# Altium PCB PCB_RF.PcbDoc (part 1 of 2) (continued)
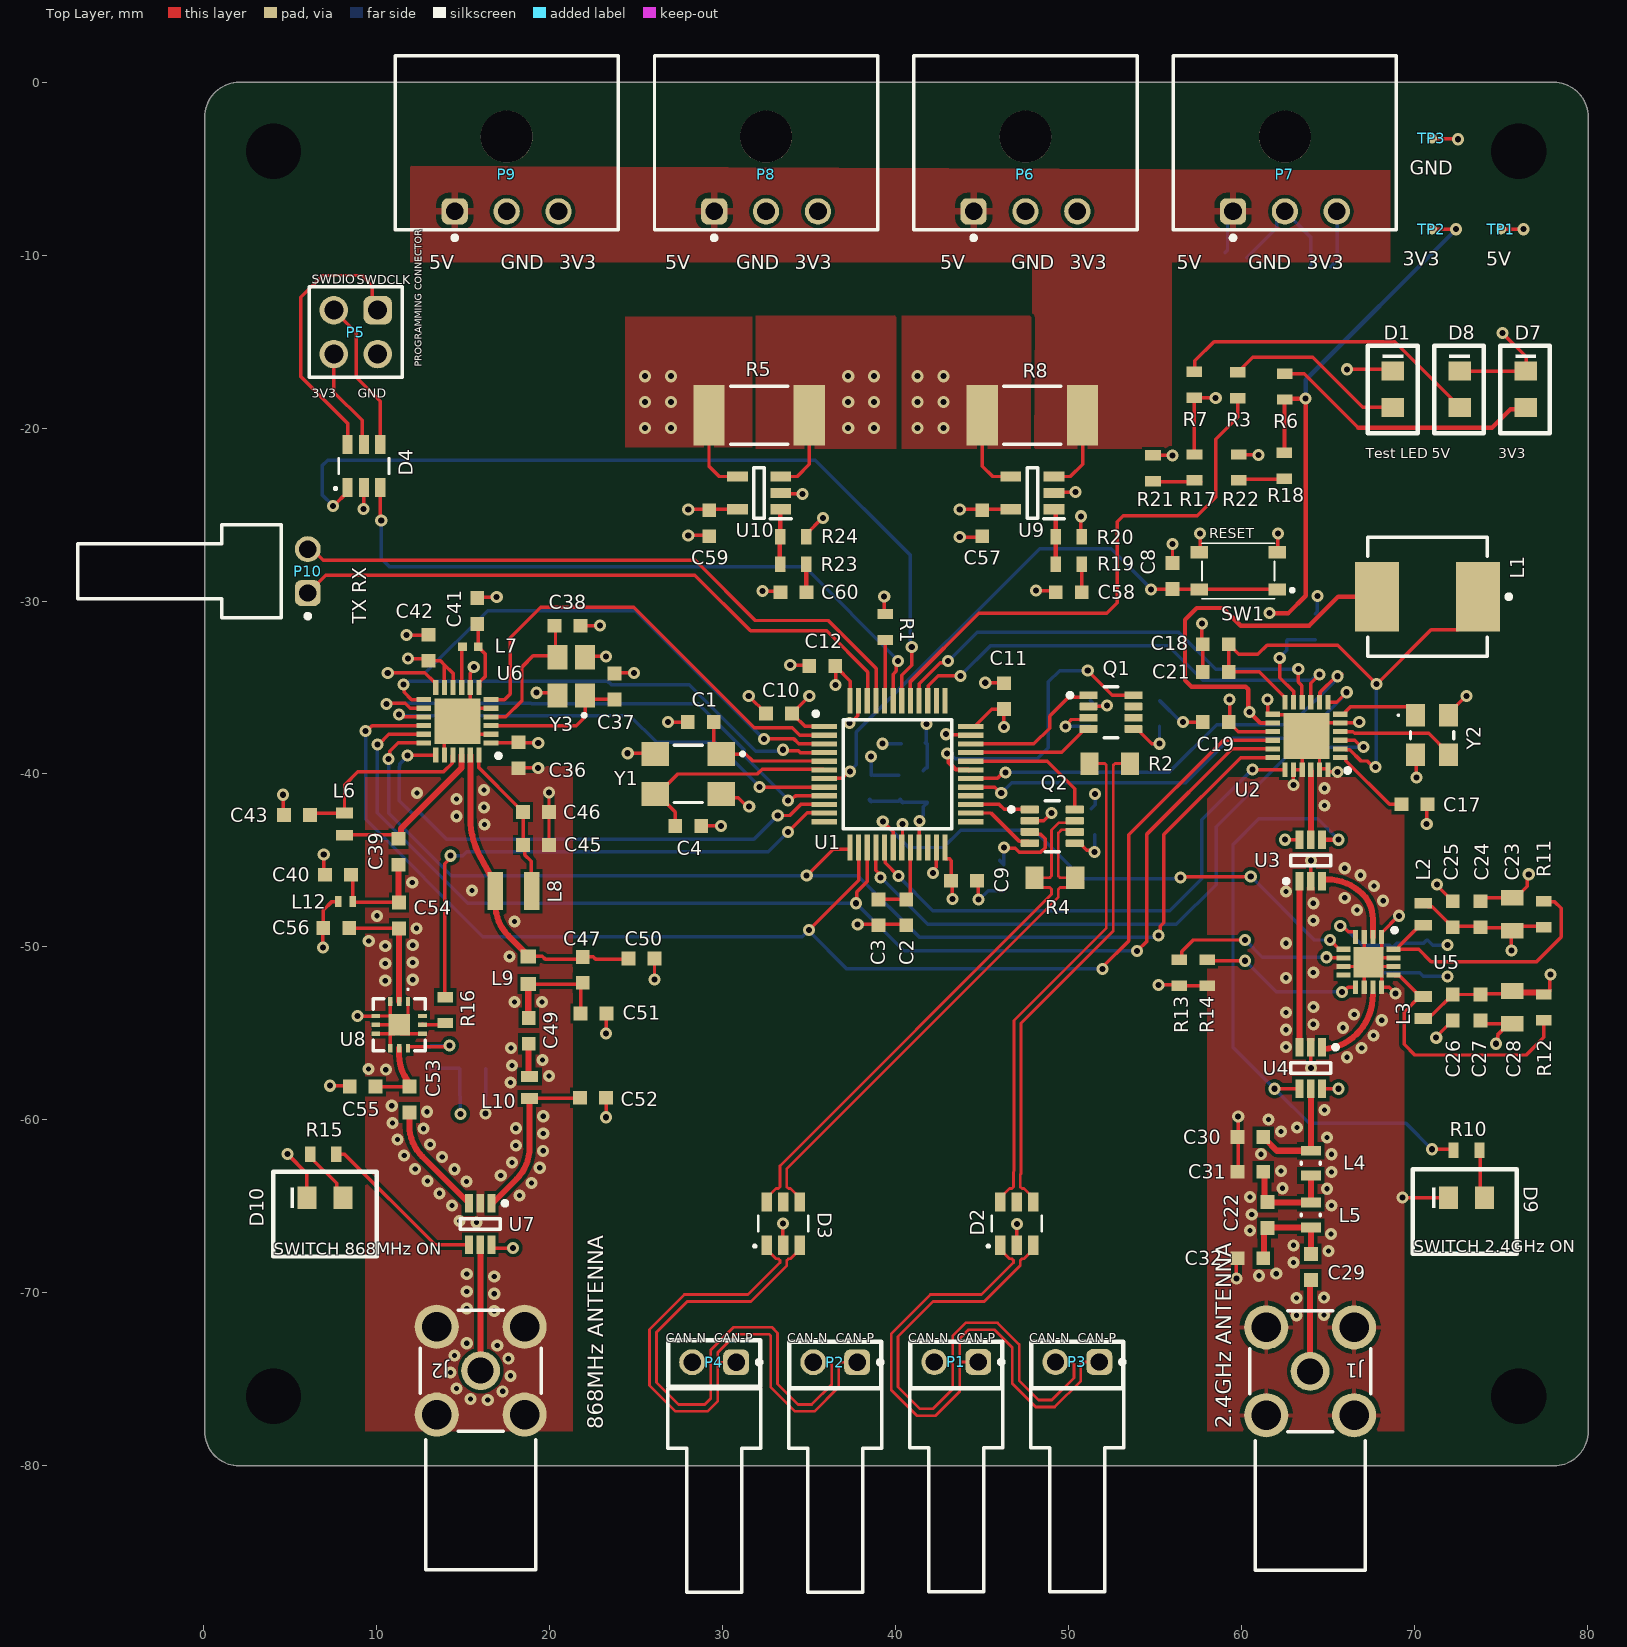
[diagram p0: Top Layer view]
## Design rules (kind name [scope] priority, off if disabled: settings) (continued)
PolygonConnect PolygonConnect_2 [All vs IsNamedPolygon('NONET_L01_P017') Or IsNamedPolygon('NONET_L01_P023') Or IsNamedPolygon('NONET_L01_P016') Or IsNamedPolygon('NONET_L01_P022') Or IsNamedPolygon('NONET_L02_P003') Or IsNamedPolygon('5V_CURRENT-_L03_P048') Or IsNamedPolygon('NONET_L03_P052') Or IsNamedPolygon('POWER-3V3_Current+') Or IsNamedPolygon('POWER-No Net') Or IsNamedPolygon('POWER-No Net 1')] p9: isadvanced=TRUE thpad.connectstyle=Relief thpad.reliefconductorwidth=0.254 thpad.reliefentries=4 thpad.polygonreliefangle="90 Angle" thpad.airgapwidth=0.254 smdpad.connectstyle=Direct smdpad.reliefconductorwidth=0.254 smdpad.reliefentries=4 smdpad.polygonreliefangle="90 Angle" smdpad.airgapwidth=0.254 via.connectstyle=Direct via.reliefconductorwidth=0.254 via.reliefentries=4 via.polygonreliefangle="90 Angle" via.airgapwidth=0.254
PolygonConnect PolygonConnect_1 [All vs IsNamedPolygon('NONET_L01_P017') Or IsNamedPolygon('NONET_L01_P023') Or IsNamedPolygon('NONET_L01_P016') Or IsNamedPolygon('NONET_L01_P022') Or IsNamedPolygon('NONET_L02_P003') Or IsNamedPolygon('5V_CURRENT-_L03_P048') Or IsNamedPolygon('NONET_L03_P039') Or IsNamedPolygon('NONET_L03_P052') Or IsNamedPolygon('POWER-3V3_Current+') Or IsNamedPolygon('POWER-No Net') Or IsNamedPolygon('POWER-No Net 1')] p10: isadvanced=TRUE thpad.connectstyle=Relief thpad.reliefconductorwidth=0.254 thpad.reliefentries=4 thpad.polygonreliefangle="90 Angle" thpad.airgapwidth=0.254 smdpad.connectstyle=Direct smdpad.reliefconductorwidth=0.254 smdpad.reliefentries=4 smdpad.polygonreliefangle="90 Angle" smdpad.airgapwidth=0.254 via.connectstyle=Relief via.reliefconductorwidth=0.254 via.reliefentries=4 via.polygonreliefangle="90 Angle" via.airgapwidth=0.254
PolygonConnect [All] p11: connectstyle=Relief reliefconductorwidth=0.254 reliefentries=4 polygonreliefangle="90 Angle" airgapwidth=0.254
RoutingCorners [All] p1: isadvanced=TRUE cornerstyle=45-Degree minsetback=2.54 maxsetback=2.54
RoutingPriority [All] p1: isadvanced=TRUE routingpriority=0
RoutingVias RoutingViaStyle_1 [All] p1: holewidth=0.3 width=0.4 viastyle="Through Hole" minholewidth=0.3 minwidth=0.4 maxholewidth=0.711 maxwidth=1.27
RoutingVias RoutingViaStyle_2 [All] p2: isadvanced=TRUE holewidth=0.35 width=0.7 viastyle="Through Hole" minholewidth=0.254 minwidth=0.4 maxholewidth=7 maxwidth=1
ShortCircuit [All] p1: isadvanced=TRUE allowed=FALSE
SilkToSilkClearance [All] p1: isadvanced=TRUE silktosilkclearance=0
SilkToSolderMaskClearance [IsPad] p1: isadvanced=TRUE minsilkscreentomaskgap=0 clearancetoexposedcopper=TRUE
SolderMaskExpansion [All] p1: isadvanced=TRUE expansion=0.102 istentingtop=FALSE
SupplyNets "Schematic Supply Nets_3" [InNet('3V3_Current-')] p1: isadvanced=TRUE voltage=0.000
SupplyNets "Schematic Supply Nets_2" [InNet('5V_Current-')] p2: isadvanced=TRUE voltage=0.000
SupplyNets "Schematic Supply Nets_1" [InNet('GND')] p3: isadvanced=TRUE voltage=0.000
SupplyNets "Schematic Supply Nets" [InNet('NetU7_2')] p4: isadvanced=TRUE voltage=0.000
UnRoutedNet [All] p1: isadvanced=TRUE checkbadconnections=TRUE
UnpouredPolygon [All] p1: isadvanced=TRUE
Width MaxMinWidth_1 [All] p1: isadvanced=TRUE maxlimit=1 minlimit=0.15 preferedwidth=0.2 minimp=50.000000 maximp=50.000000 favimp=50.000000
Width MaxMinWidth_2 [All] p2: maxlimit=1 minlimit=0.1 preferedwidth=0.2 minimp=50.000000 maximp=50.000000 favimp=50.000000
3 further rules are at their usual default settings.

## Classes and differential pairs
component class "SX1280 MID VELOCITY": C17 C18 C19 C20 C21 C22 C23 C24 C25 C26 C27 C28 C29 C30 C31 C32 C33 C34 C35 D9 J1 L1 L2 L3 L4 L5 R9 R10 R11 R12 R13 R14 U2 U3 U4 U5 Y2
component class SX1262: C36 C37 C38 C39 C40 C41 C42 C43 C44 C45 C46 C47 C48 C49 C50 C51 C52 C53 C54 C55 C56 D10 J2 L6 L7 L8 L9 L10 L11 L12 R15 R16 U6 U7 U8 Y3
component class MCU: C1 C2 C3 C4 C5 C6 C7 C8 C9 C10 C11 C12 C13 C14 C15 C16 D1 FB1 Q1 Q2 R1 R2 R3 R4 SW1 U1 Y1
component class "Current and Voltage Measurement": C57 C58 C59 C60 R17 R18 R19 R20 R21 R22 R23 R24 TP1 TP2 TP3 U9 U10
component class Connectors: D2 D3 D4 D5 D6 D7 D8 P1 P2 P3 P4 P5 P6 P7 P8 P9 P10 R5 R6 R7 R8
differential pair D_CAN1C: +CAN1C_P -CAN1C_N
differential pair D_CAN2: +CAN2_P -CAN2_N
differential pair D_CAN1: +CAN1_P -CAN1_N
differential pair D_CAN2C: +CAN2C_P -CAN2C_N

## Components (designator, comment, footprint, x,y, rotation, side; value= is the part's Value field where it differs from the comment)
C1 "885012006034" WCAP-CSGP_0603_L1.6W0.8H0.8_Reflow 28.725,-37 r180 top value=22pF
C2 "885012206052" WCAP-CSGP_0603_L1.6W0.8H0.8_Reflow 40.604,-48 r90 top value=1µF
C3 "885012206071" WCAP-CSGP_0603_L1.6W0.8H0.8_Reflow 39,-48 r90 top value=100nF
C4 "885012006034" WCAP-CSGP_0603_L1.6W0.8H0.8_Reflow 28,-43 r0 top value=22pF
C5 "885012206052" WCAP-CSGP_0603_L1.6W0.8H0.8_Reflow 41.075,-38.25 r0 bottom value=1µF
C6 "885012206065" WCAP-CSGP_0603_L1.6W0.8H0.8_Reflow 38.575,-40.823 r270 bottom value=10nF
C7 "885012206052" WCAP-CSGP_0603_L1.6W0.8H0.8_Reflow 40.179,-40.823 r270 bottom value=1µF
C8 "885012206071" WCAP-CSGP_0603_L1.6W0.8H0.8_Reflow 56,-28.55 r270 top value=100nF
C9 "885012106012" WCAP-CSGP_0603_L1.6W0.8H0.8_Reflow 43.95,-46.175 r180 top value=4.7µF
C10 "885012206071" WCAP-CSGP_0603_L1.6W0.8H0.8_Reflow 33.25,-36.5 r0 top value=100nF
C11 "885012206071" WCAP-CSGP_0603_L1.6W0.8H0.8_Reflow 46.258,-35.499 r270 top value=100nF
C12 "885012206071" WCAP-CSGP_0603_L1.6W0.8H0.8_Reflow 35.75,-33.75 r0 top value=100nF
C13 "885012206071" WCAP-CSGP_0603_L1.6W0.8H0.8_Reflow 51.25,-36.5 r90 bottom value=100nF
C14 "885012206071" WCAP-CSGP_0603_L1.6W0.8H0.8_Reflow 55.25,-36.5 r90 bottom value=100nF
C15 "885012206071" WCAP-CSGP_0603_L1.6W0.8H0.8_Reflow 46.25,-46 r270 bottom value=100nF
C16 "885012206071" WCAP-CSGP_0603_L1.6W0.8H0.8_Reflow 51.5,-42.75 r90 bottom value=100nF
C17 "885012206065" WCAP-CSGP_0603_L1.6W0.8H0.8_Reflow 70,-41.75 r180 top value=10nF
C18 "885012206065" WCAP-CSGP_0603_L1.6W0.8H0.8_Reflow 58.5,-32.5 r0 top value=10nF
C19 "885012206071" WCAP-CSGP_0603_L1.6W0.8H0.8_Reflow 58.5,-37 r0 top value=100nF
C20 "885012206071" WCAP-CSGP_0603_L1.6W0.8H0.8_Reflow 64.25,-31.5 r270 bottom value=100nF
C21 "885012206050" WCAP-CSGP_0603_L1.6W0.8H0.8_Reflow 58.5,-34.104 r0 top value=470nF
C22 "885012006086" WCAP-CSGP_0603_L1.6W0.8H0.8_Reflow 61.5,-65.5 r270 top value=0.5pF
C23 "GRM21BR61E106KA73K" GRM21BR61E106KA73K-Footprint-1 75.638,-48.113 r270 top value=10µF
C24 "885012006036" WCAP-CSGP_0603_L1.6W0.8H0.8_Reflow 73.809,-48.113 r90 top value=47pF
C25 "885012206052" WCAP-CSGP_0603_L1.6W0.8H0.8_Reflow 72.204,-48.113 r270 top value=1uF
C26 "885012206052" WCAP-CSGP_0603_L1.6W0.8H0.8_Reflow 72.204,-53.5 r90 top value=1uF
C27 "885012006036" WCAP-CSGP_0603_L1.6W0.8H0.8_Reflow 73.809,-53.5 r270 top value=47pF
C28 "GRM21BR61E106KA73K" GRM21BR61E106KA73K-Footprint-1 75.638,-53.5 r90 top value=10µF
C29 "885012006057" WCAP-CSGP_0603_L1.6W0.8H0.8_Reflow 64,-68.5 r270 top value=100pF
C30 "0.8pF" WCAP-CSGP_0603_L1.6W0.8H0.8_Reflow 60.5,-61 r0 top
C31 "1.2pF" WCAP-CSGP_0603_L1.6W0.8H0.8_Reflow 60.5,-63 r0 top
C32 "1.2pF" WCAP-CSGP_0603_L1.6W0.8H0.8_Reflow 60.5,-68 r0 top
C33 "GRM21BR61E106KA73K" GRM21BR61E106KA73K-Footprint-1 70.5,-50.75 r90 bottom value=10µF
C34 "885012106012" WCAP-CSGP_0603_L1.6W0.8H0.8_Reflow 68.671,-50.75 r90 bottom value=4.7uF
C35 "885012206071" WCAP-CSGP_0603_L1.6W0.8H0.8_Reflow 67.066,-50.75 r90 bottom value=100nF
C36 "885012206071" WCAP-CSGP_0603_L1.6W0.8H0.8_Reflow 18.179,-38.918 r90 top value=100nF
C37 "885012006051" WCAP-CSGP_0603_L1.6W0.8H0.8_Reflow 23.746,-34.949 r270 top value=10pF
C38 "885012006051" WCAP-CSGP_0603_L1.6W0.8H0.8_Reflow 21.025,-31.425 r180 top value=10pF
C39 "885012006047" WCAP-CSGP_0603_L1.6W0.8H0.8_Reflow 11.25,-44.497 r270 top value=2.2pF
C40 "885012206071" WCAP-CSGP_0603_L1.6W0.8H0.8_Reflow 7.75,-45.825 r0 top value=NC
C41 "885012206050" WCAP-CSGP_0603_L1.6W0.8H0.8_Reflow 15.799,-30.571 r270 top value=470nF
C42 "885012206071" WCAP-CSGP_0603_L1.6W0.8H0.8_Reflow 12.975,-32.7 r270 top value=100nF
C43 "885012006088" WCAP-CSGP_0603_L1.6W0.8H0.8_Reflow 5.375,-42.375 r0 top value=1.5pF
C44 "885012206071" WCAP-CSGP_0603_L1.6W0.8H0.8_Reflow 15.551,-58.595 r0 bottom value=100nF
C45 "885012206069" WCAP-CSGP_0603_L1.6W0.8H0.8_Reflow 19.2,-44.1 r180 top value=47nF
C46 "885012206069" WCAP-CSGP_0603_L1.6W0.8H0.8_Reflow 19.2,-42.2 r180 top value=47nF
C47 "885012006048" WCAP-CSGP_0603_L1.6W0.8H0.8_Reflow 21.9,-51.325 r270 top value=3.3pF
C48 "885012206065" WCAP-CSGP_0603_L1.6W0.8H0.8_Reflow 15.53,-57.041 r0 bottom value=10nF
C49 "885012006048" WCAP-CSGP_0603_L1.6W0.8H0.8_Reflow 18.775,-54.85 r270 top value=3.3pF
C50 "885012006092" WCAP-CSGP_0603_L1.6W0.8H0.8_Reflow 25.3,-50.675 r180 top value=NC
C51 "885012006092" WCAP-CSGP_0603_L1.6W0.8H0.8_Reflow 22.525,-53.85 r180 top value=5.6pF
C52 "885012006092" WCAP-CSGP_0603_L1.6W0.8H0.8_Reflow 22.5,-58.725 r180 top value=5.6pF
C53 "885012006057" WCAP-CSGP_0603_L1.6W0.8H0.8_Reflow 11.875,-58.825 r270 top value=100pF
C54 "885012206071" WCAP-CSGP_0603_L1.6W0.8H0.8_Reflow 11.275,-48.175 r90 top value="100 pF"
C55 "885012006086" WCAP-CSGP_0603_L1.6W0.8H0.8_Reflow 9.175,-58.075 r0 top value=0.5pF
C56 "885012206071" WCAP-CSGP_0603_L1.6W0.8H0.8_Reflow 7.65,-48.9 r0 top value="0.4 pF"
C57 "885012206071" WCAP-CSGP_0603_L1.6W0.8H0.8_Reflow 45,-25.5 r90 top value=100nF
C58 "885012206062" WCAP-CSGP_0603_L1.6W0.8H0.8_Reflow 50,-29.488 r0 top value=3.3nF
C59 "885012206071" WCAP-CSGP_0603_L1.6W0.8H0.8_Reflow 29.219,-25.5 r90 top value=100nF
C60 "885012206062" WCAP-CSGP_0603_L1.6W0.8H0.8_Reflow 34.08,-29.488 r0 top value=3.3nF
D1 "150080YS75000" WL-SMCW_0805_150080xx75000 68.75,-17.75 r270 top
D2 "82400102" WE-TVS_SOT23-6L 47,-66 r0 top
D3 "82400102" WE-TVS_SOT23-6L 33.5,-66 r0 top
D4 "82400102" WE-TVS_SOT23-6L 9.25,-22.195 r0 top
D5 "824032813" WE-TVS_DFN1610-2L 64.77,-10.668 r180 bottom
D6 "824032815" WE-TVS_DFN1610-2L 59.69,-10.16 r0 bottom
D7 "150080GS75000" WL-SMCW_0805_150080xx75000 76.425,-17.75 r270 top
D8 "150080GS75000" WL-SMCW_0805_150080xx75000 72.6,-17.75 r270 top
D9 "150080RS75000" WL-SMCW_0805_150080xx75000 73,-64.5 r0 top
D10 "150080RS75000" WL-SMCW_0805_150080xx75000 7,-64.5 r0 top
FB1 "742792625" WE-CBF_0603_L1.6W0.8H0.8_HC 41.834,-40.823 r270 bottom
J1 "60311002114501" 60311002114501 63.96,-74.54 r0 top
J2 "60311002114501" 60311002114501 16,-74.5 r0 top
L1 "784373460150" WE-LHCA_7030 70.75,-29.75 r270 top
L2 "5.4nH" WE-KI_0603 70.5,-48.113 r90 top
L3 "1.6nH" WE-KI_0603 70.5,-53.5 r270 top
L4 "3nH" FP-LQW18AN_80-MFG 64,-62.5 r270 top
L5 "2.5nH" FP-LQW18AN_80-MFG 64,-65.5 r270 top
L6 "744761115A" WE-KI_0603 8.125,-42.9 r270 top
L7 "15uH" WE-TCI_0402 15.4,-32.65 r180 top
L8 "744762147A" WE-KI_1008 17.9,-46.775 r0 top
L9 "7847805220" WE-MCI_0603 18.75,-51.35 r270 top
L10 "744761047A" WE-KI_0603 18.825,-58.125 r270 top
L11 "7447610139" WE-RFI_0603 13.076,-56.45 r90 bottom
L12 "22nH" WE-KI_0402 1278.187,1222.625 r0 top
P1 "61900219521" 61900219521 43.5,-81.42 r0 top
P2 "61900219521" 61900219521 36.5,-81.434 r0 top
P3 "61900219521" 61900219521 50.5,-81.42 r0 top
P4 "61900219521" 61900219521 29.5,-81.434 r0 top
P5 "61300421121" 61300421121 8.775,-14.45 r180 top
P6 "66200311022" 66200311022 47.5,-3.5 r180 top
P7 "66200311022" 66200311022 62.5,-3.5 r180 top
P8 "66200311022" 66200311022 32.5,-3.5 r180 top
P9 "66200311022" 66200311022 17.5,-3.5 r180 top
P10 "61900219521" 61900219521 -1.42,-28.27 r270 top
Q1 "TCAN1044AVDDFRQ1" FP-DDF0008A-MFG 52.445,-36.421 r0 top
Q2 "TCAN1044AVDDFRQ1" FP-DDF0008A-MFG 49.05,-43.025 r0 top
R1 "560112116005" WRIS-RSKS_0603_Reflow 39.4,-31.5 r270 top value=10k
R2 "RCS0805120RFKEA" RCS0805120RFKEA-Footprint-1 52.375,-39.4 r180 top value=120
R3 "560112116014" WRIS-RSKS_0603_Reflow 59.775,-17.525 r270 top value=1k
R4 "RCS0805120RFKEA" RCS0805120RFKEA-Footprint-1 49.2,-46 r180 top value=120
R5 "10m" 580070763010-Footprint-1 35.964,-17.416 r180 top
R6 "560112116067" WRIS-RSKS_0603_Reflow 62.5,-17.6 r270 top value=470
R7 "560112116014" WRIS-RSKS_0603_Reflow 57.25,-17.5 r270 top value=1K
R8 "10m" 580070763010-Footprint-1 51.764,-17.416 r180 top
R9 "0R" WRIS-RSKS_0603_Reflow 62.646,-31.5 r90 bottom
R10 "560112116014" WRIS-RSKS_0603_Reflow 73,-61.75 r0 top value=1K
R11 "560112116126" WRIS-RSKS_0603_Reflow 77.467,-48.113 r270 top value=220
R12 "560112116126" WRIS-RSKS_0603_Reflow 77.467,-53.5 r90 top value=220
R13 "0R" WRIS-RSKS_0603_Reflow 56.396,-51.5 r90 top
R14 "0R" WRIS-RSKS_0603_Reflow 58,-51.5 r90 top
R15 "560112116014" WRIS-RSKS_0603_Reflow 6.9,-62 r180 top value=1k
R16 "0R" WRIS-RSKS_0603_Reflow 13.95,-53.65 r90 top
R17 "560112116005" WRIS-RSKS_0603_Reflow 57.275,-22.275 r90 top value=10k
R18 "560112116005" WRIS-RSKS_0603_Reflow 62.475,-22.175 r90 top value=10k
R19 "560112116067" WRIS-RSKS_0603_Reflow 50,-27.884 r180 top value=470
R20 "560112116019" WRIS-RSKS_0603_Reflow 50,-26.279 r180 top value=470K
R21 "560112116035" WRIS-RSKS_0603_Reflow 54.875,-22.325 r270 top value=15k
R22 "560112116004" WRIS-RSKS_0603_Reflow 59.825,-22.275 r270 top value=100k
R23 "560112116067" WRIS-RSKS_0603_Reflow 34.08,-27.884 r180 top value=470
R24 "560112116019" WRIS-RSKS_0603_Reflow 34.08,-26.279 r180 top value=470K
SW1 "PTS815SJM250SMTRLFS" PTS815SJM250SMTRLFS-Footprint-1 59.75,-28.25 r180 top
TP1 "TPAD6R" TP06R 75,-8.5 r180 top
TP2 "TPAD6R" TP06R 71,-8.5 r180 top
TP3 "TPAD6R" TP06R 71,-3.25 r180 top
U1 "STM32G473CET6" STM32G0C1RET6-Footprint-1 40.1,-40.013 r0 top
U2 "SX1280IMLTRT" SX1280IMLTRT-Footprint-1 63.75,-37.8 r180 top
U3 "4259-63" PERE-SC-70-6_M 64,-45 r90 top
U4 "4259-63" PERE-SC-70-6_M 64,-57 r270 top
U5 "SKY67177-11" SKY67177-11-Footprint-1 62.132,-50.374 r270 top
U6 "SX1262IMLTRT" SX1262IMLTRT-Footprint-1 14.65,-36.95 r180 top
U7 "4259-63" PERE-SC-70-6_M 15.975,-66.025 r270 top
U8 "TSY-83LN+" TSY-83LN+-Footprint-1 11.285,-54.505 r270 top
U9 "INA138" INA138-Footprint-1 48.281,-26.544 r180 top
U10 "INA138" INA138-Footprint-1 32.481,-26.544 r180 top
Y1 "830056583" WE-XTAL_CFPX-104 28,-40 r180 top
Y2 "ECS-520-12-33B-7HN-TR" ECS-520-12-33B-7HN-TR-Footprint-1 71.013,-37.75 r270 top
Y3 "830103622909" WE-XTAL_CFPX-180 21.234,-34.356 r90 top

## Footprints (in the part's own frame and the unit in brackets; to place one, negate y for a bottom-side part, rotate by r counter-clockwise, add the part's x,y. Pads: shape width x height; smd on the part's side, far side on the other; paste and mask are expansions set on the pad)
61300421121 [mm] "Pin Header, pitch 2.54 mm, THT, Vertical, dual row, 4p"
  rrect50% 1.65x1.65 hole 1.1: 1(-1.27,-1.27)
  round 1.65 hole 1.1: 2(-1.27,1.27) 3(1.27,-1.27) 4(1.27,1.27)
  silkscreen extent -2.69,-2.62 2.69,2.62, body extent -2.54,-2.54 2.54,2.54, height 8.59
61900219521 [mm] "2.54mm Male Right Angled Locking Header Top Locking, 2p"
  rrect50% 1.5x1.5 hole 1: 1(1.27,7.42)
  round 1.5 hole 1: 2(-1.27,7.42)
  silkscreen extent -2.69,-5.87 2.72,7.54, body extent -2.54,-5.75 2.54,7.77, height 5.83
66200311022 [mm] "3.00mm Male Single Row Angled Header with Plastic Pegs, 3p"
  rrect50% 1.52x1.52 hole 1.02: 1(3,3.97)
  round 1.52 hole 1.02: 2(0,3.97) 3(-3,3.97)
  round 3 hole 3 unplated: MH1(0,-0.35)
  silkscreen extent -6.45,-5.02 6.45,5.62, body extent -6.32,-4.95 6.32,4.95, height 5.6
580070763010-Footprint-1 [mm]
  rect 1.8x3.5 smd: 1(0.964,1.834) 2(6.764,1.834)
  silkscreen extent 2.21,0.16 5.51,3.51, body extent 0.71,0.28 7.01,3.38, height 0.35
60311002114501 [mm] "SMA PCB THT Jack Right Angle"
  round 2.25 hole 1.5: 1(0,0)
  round 2.55 hole 1.7: 2(-2.54,2.54) 3(2.54,2.54) 4(2.54,-2.54) 5(-2.54,-2.54)
  silkscreen extent -3.5,-11.5 3.5,3.5, body extent -3.5,-11.5 3.5,3.5, height 9.66
ECS-520-12-33B-7HN-TR-Footprint-1 [mm]
  rect 1.3x1.1 smd: 1(-1.15,-0.95) 2(1.15,-0.95) 3(1.15,0.95) 4(-1.15,0.95)
  silkscreen extent -1.2,-2 0.2,1.25, body extent -1.69,-1.39 1.69,1.39, height 0.9
FP-DDF0008A-MFG [mm]
  rrect22% 1.05x0.45 smd paste+0 mask+0: 1(-1.3,0.975) 2(-1.3,0.325) 3(-1.3,-0.325) 4(-1.3,-0.975) 5(1.3,-0.975) 6(1.3,-0.325) 7(1.3,0.325) 8(1.3,0.975)
  silkscreen extent -2.5,-1.48 0.4,1.48, body extent -1.92,-1.73 1.92,1.73, height 0.25
FP-LQW18AN_80-MFG [mm]
  rect 0.57x1.15 smd paste+0 mask+0: 1(-0.715,0) 2(0.715,0)
  silkscreen extent -0.06,-0.55 0.06,0.55, body extent -1.1,-0.67 1.1,0.67, height 0.25
GRM21BR61E106KA73K-Footprint-1 [mm]
  rect 0.9x1.3 smd: 1(-0.95,0) 2(0.95,0)
  body extent -1,-0.62 1,0.63, height 0.59
INA138-Footprint-1 [mm]
  rect 1.2x0.6 smd: 1(-0.869,-1.844) 2(-0.869,-2.794) 3(-0.869,-3.744) 4(1.631,-3.744) 5(1.631,-1.844)
  silkscreen extent -1.47,-4.24 0.68,-1.29, body extent -1.02,-4.24 1.78,-1.34, height 1.2
PERE-SC-70-6_M [mm] "SOT23, 6-Leads, Body 2.25x1.35mm, Pitch 0.65mm, IPC Low Density"
  rect 1.05x0.45 smd: 1(-1.2,0.65) 2(-1.2,0) 3(-1.2,-0.65) 4(1.2,-0.65) 5(1.2,0) 6(1.2,0.65)
  silkscreen extent -1.32,-1.15 0.3,1.55, body extent -0.67,-1.12 0.67,1.13, height 1.1
PTS815SJM250SMTRLFS-Footprint-1 [mm]
  rect 1x0.7 smd: 1(-2.305,1.079) 1(2.195,1.079) 2(-2.305,-1.071) 2(2.195,-1.071)
  silkscreen extent -3.27,-1.6 2.05,1.61, body extent -2.35,-1.6 2.25,1.6, height 2.6
RCS0805120RFKEA-Footprint-1 [mm]
  rect 1.05x1.3 smd: 1(-1.175,0) 2(1.175,0)
  body extent -1,-0.63 1,0.63, height 0.53
SKY67177-11-Footprint-1 [mm]
  rect 0.8x0.3 smd: 1(-0.942,5.957) 2(-0.942,5.457) 3(-0.942,4.957) 4(-0.942,4.457) 9(1.958,4.457) 10(1.958,4.957) 11(1.958,5.457) 12(1.958,5.957)
  rect 0.3x0.8 smd: 5(-0.242,3.757) 6(0.258,3.757) 7(0.758,3.757) 8(1.258,3.757) 13(1.258,6.657) 14(0.758,6.657) 15(0.258,6.657) 16(-0.242,6.657)
  rect 1.75x1.75 smd: 17(0.508,5.207)
  silkscreen extent -1.47,6.58 -1.22,6.83, body extent -1.07,3.66 2.03,6.76, height 0.6
STM32G0C1RET6-Footprint-1 [mm]
  rect 1.475x0.3 smd: 1(-4.238,2.75) 2(-4.238,2.25) 3(-4.238,1.75) 4(-4.238,1.25) 5(-4.238,0.75) 6(-4.238,0.25) 7(-4.238,-0.25) 8(-4.238,-0.75) 9(-4.238,-1.25) 10(-4.238,-1.75) 11(-4.238,-2.25) 12(-4.238,-2.75) 25(4.238,-2.75) 26(4.238,-2.25) 27(4.238,-1.75) 28(4.238,-1.25) 29(4.238,-0.75) 30(4.238,-0.25) 31(4.238,0.25) 32(4.238,0.75) 33(4.238,1.25) 34(4.238,1.75) 35(4.238,2.25) 36(4.238,2.75)
  rect 0.3x1.475 smd: 13(-2.75,-4.238) 14(-2.25,-4.238) 15(-1.75,-4.238) 16(-1.25,-4.238) 17(-0.75,-4.238) 18(-0.25,-4.238) 19(0.25,-4.238) 20(0.75,-4.238) 21(1.25,-4.238) 22(1.75,-4.238) 23(2.25,-4.238) 24(2.75,-4.238) 37(2.75,4.238) 38(2.25,4.238) 39(1.75,4.238) 40(1.25,4.238) 41(0.75,4.238) 42(0.25,4.238) 43(-0.25,4.238) 44(-0.75,4.238) 45(-1.25,4.238) 46(-1.75,4.238) 47(-2.25,4.238) 48(-2.75,4.238)
  silkscreen extent -4.85,-3.15 3.15,3.62, body extent -4.5,-4.5 4.5,4.5, height 1.6
SX1262IMLTRT-Footprint-1 [mm]
  rect 0.85x0.3 smd: 1(-1.95,1.25) 2(-1.95,0.75) 3(-1.95,0.25) 4(-1.95,-0.25) 5(-1.95,-0.75) 6(-1.95,-1.25) 13(1.95,-1.25) 14(1.95,-0.75) 15(1.95,-0.25) 16(1.95,0.25) 17(1.95,0.75) 18(1.95,1.25)
  rect 0.3x0.85 smd: 7(-1.25,-1.95) 8(-0.75,-1.95) 9(-0.25,-1.95) 10(0.25,-1.95) 11(0.75,-1.95) 12(1.25,-1.95) 19(1.25,1.95) 20(0.75,1.95) 21(0.25,1.95) 22(-0.25,1.95) 23(-0.75,1.95) 24(-1.25,1.95)
  rect 2.65x2.65 smd: 25(0,0)
  silkscreen extent -2.5,1.88 -2.25,2.12, body extent -2.05,-2.05 2.05,2.05, height 1
SX1280IMLTRT-Footprint-1 [mm]
  rect 0.85x0.3 smd: 1(-1.95,1.25) 2(-1.95,0.75) 3(-1.95,0.25) 4(-1.95,-0.25) 5(-1.95,-0.75) 6(-1.95,-1.25) 13(1.95,-1.25) 14(1.95,-0.75) 15(1.95,-0.25) 16(1.95,0.25) 17(1.95,0.75) 18(1.95,1.25)
  rect 0.3x0.85 smd: 7(-1.25,-1.95) 8(-0.75,-1.95) 9(-0.25,-1.95) 10(0.25,-1.95) 11(0.75,-1.95) 12(1.25,-1.95) 19(1.25,1.95) 20(0.75,1.95) 21(0.25,1.95) 22(-0.25,1.95) 23(-0.75,1.95) 24(-1.25,1.95)
  rect 2.65x2.65 smd: 25(0,0)
  silkscreen extent -2.5,1.88 -2.25,2.12, body extent -2,-2 2,2, height 1
TP06R [mm] "Testpoint, round, d=0.6mm"
  round 0.6 smd paste-1: 1(0,0)
TSY-83LN+-Footprint-1 [mm]
  rect 0.51x0.25 smd: 1(-1.355,0.51) 2(-1.355,0) 3(-1.355,-0.51) 7(1.355,-0.51) 8(1.355,0) 9(1.355,0.51)
  rect 0.25x0.51 smd: 4(-0.51,-1.355) 5(0,-1.355) 6(0.51,-1.355) 10(0.51,1.355) 11(0,1.355) 12(-0.51,1.355)
  rect 1.25x1.25 smd: 13(0,0)
  silkscreen extent -2.1,-1.5 1.5,1.5
WCAP-CSGP_0603_L1.6W0.8H0.8_Reflow [mm] "Ceramic Capacitors, body 1.6x0.8mm"
  rect 0.8x0.8 smd: 1(-0.75,0) 2(0.75,0)
  body extent -0.8,-0.4 0.8,0.4, height 0.8
WE-CBF_0603_L1.6W0.8H0.8_HC [mm] "SMD EMI Suppression Ferrite  Bead, body 1.60x0.80mm"
  rect 0.95x0.7 smd: 1(-0.825,0) 2(0.825,0)
  body extent -0.8,-0.4 0.8,0.4, height 0.8
WE-KI_0402 [mm] "SMD Wire Wound Ceramic Inductor, body 1.00x0.55mm"
  rect 0.375x0.65 smd: 1(-1270.413,-1270) 2(-1269.587,-1270)
  body extent -1270.5,-1270.27 -1269.5,-1269.72, height 0.58
WE-KI_0603 [mm] "SMD Wire Wound Ceramic Inductor, body 1.60x1.05mm"
  rect 0.625x1 smd: 1(-0.637,0) 2(0.637,0)
  body extent -0.82,-0.58 0.82,0.58, height 0.92
WE-KI_1008 [mm] "SMD Wire Wound Ceramic Inductor, body 2.50x2.00mm"
  rect 0.9x2.2 smd: 1(-1.05,0) 2(1.05,0)
  body extent -1.25,-1 1.25,1, height 1.12
WE-LHCA_7030 [mm] "SMD Power Inductor, 2-Leads, body 6.95 x 6.60 mm"
  rect 4x2.55 smd: 1(0,2.925) 2(0,-2.925)
  silkscreen extent -3.45,-3.45 3.45,4.83, body extent -3.3,-3.47 3.3,3.48, height 3.01
WE-MCI_0603 [mm] "Multilayer Ceramic SMT Inductor, body 1.6x0.8mm"
  rect 0.8x0.9 smd: 1(-0.8,0) 2(0.8,0)
  body extent -0.8,-0.4 0.8,0.4, height 0.8
WE-RFI_0603 [mm] "Ferrite SMT Inductor, body 1.65 x 1.10 mm"
  rect 0.64x1.02 smd: 1(-0.64,0) 2(0.64,0)
  body extent -0.82,-0.55 0.82,0.55, height 0.91
WE-TCI_0402 [mm] "Thinfilm Chip Inductor, 2-leads, body 1.00x0.50mm"
  rect 0.5x0.5 smd: 1(-0.45,0) 2(0.45,0)
  body extent -0.5,-0.25 0.5,0.25, height 0.32
WE-TVS_DFN1610-2L [mm] "TVS Diode, package DFN1610-2L"
  rect 0.625x1 smd: 1(-0.613,0) 2(0.613,0)
  silkscreen extent -0.65,-0.85 -0.55,-0.75, body extent -0.8,-0.5 0.8,0.5, height 0.51
WE-TVS_SOT23-6L [mm] "TVS Diode, package SOT23-6L"
  rect 0.6x1.1 smd: 1(-0.95,-1.25) 2(0,-1.25) 3(0.95,-1.25) 4(0.95,1.25) 5(0,1.25) 6(-0.95,1.25)
  silkscreen extent -1.72,-1.37 1.45,0.45, body extent -1.45,-1.4 1.45,1.4, height 1.16
WE-XTAL_CFPX-104 [mm] "Quartz Crystal, size CFPX-104, body 5x3.2mm"
  rect 1.6x1.4 smd: 1(-1.9,-1.15) 2(1.9,-1.15) 3(1.9,1.15) 4(-1.9,1.15)
  silkscreen extent -3.24,-1.65 0.8,1.65, body extent -2.5,-1.6 2.5,1.6, height 0.95
WE-XTAL_CFPX-180 [mm] "Quartz Crystal, size CFPX-180, body 3.4x2.7mm"
  rect 1.4x1.15 smd: 1(-1.1,-0.8) 2(1.1,-0.8) 3(1.1,0.8) 4(-1.1,0.8)
  silkscreen extent -2.35,-0.85 -2.15,-0.65, body extent -1.7,-1.35 1.7,1.35, height 0.65
WL-SMCW_0805_150080xx75000 [mm] "SMD Mono-color Chip LED, body 2.0x1.25mm"
  rect 1.1x1.3 smd: 1(-1.05,0) 2(1.05,0)
  silkscreen extent -2,-0.6 -1.8,0.6, body extent -1,-0.63 1,0.62, height 0.7
WRIS-RSKS_0603_Reflow [mm] "Fixed Thick Film, body 1.60 x 0.80 mm"
  rect 0.6x0.9 smd: 1(-0.75,0) 2(0.75,0)
  body extent -0.8,-0.4 0.8,0.4, height 0.45

## Part data
C1 C4: library part CMP-001-00150-1, "WCAP-CSGP Multilayer Ceramic Chip Capacitor, General Purpose, size 0603, NP0, 22pF, 25VDC", Capacitance Tolerance=+/-5%, Case/Package=0603, Insulation Resistance=10GOhm, Manufacturer="Wurth Elektronik", Operating Temperature Max=125°C, Operating Temperature Min=-55°C, Rated Voltage (DC)=25V, Category="Multilayer Ceramic Chip Capacitors", Ceramic Type=NP0, Component Type=Standard, ComponentLink1Description="Website Link", ComponentLink1URL=https://www.we-online.com/redexpert/article/885012006034?ad, ComponentLink2Description="Datasheet Link", ComponentLink2URL=https://www.we-online.com/redexpert/spec/885012006034?ad, Design Item ID=885012006034, Height=0.8mm, Length=1.6mm, Manufacturer Part Number=885012006034, Match Code=WCAP-CSGP, Mount="Surface Mount", Packaging="Tape and Reel", Pins=2, Q Factor=840, Source=WCAP-CSGP.SchLib, Technical Reference=NP00603220J025DFCT10000, Width=0.8mm
C2 C5 C7 C25 C26: library part CMP-001-00642-1, "WCAP-CSGP Multilayer Ceramic Chip Capacitor, General Purpose, size 0603, X7R, 1uF, 16VDC", Capacitance Tolerance=+/-10%, Case/Package=0603, Insulation Resistance=0.1GOhm, Manufacturer="Wurth Elektronik", Operating Temperature Max=125°C, Operating Temperature Min=-55°C, Rated Voltage (DC)=16V, Category="Multilayer Ceramic Chip Capacitors", Ceramic Type=X7R, Component Type=Standard, ComponentLink1Description="Website Link", ComponentLink1URL=https://www.we-online.com/redexpert/article/885012206052?ad, ComponentLink2Description="Datasheet Link", ComponentLink2URL=https://www.we-online.com/redexpert/spec/885012206052?ad, Design Item ID=885012206052, Dissipation Factor=10%, Height=0.8mm, Length=1.6mm, Manufacturer Part Number=885012206052, Match Code=WCAP-CSGP, Mount="Surface Mount", Packaging="Tape and Reel", Pins=2, Source=WCAP-CSGP.SchLib, Technical Reference=X7R0603105K016DFCT10000, Width=0.8mm
C3 C8 C10 C11 C12 C13 C14 C15 C16 C19 C20 C35 C36 C40 C42 C44 C54 C56 C57 C59: library part CMP-001-00661-1, "WCAP-CSGP Multilayer Ceramic Chip Capacitor, General Purpose, size 0603, X7R, 100nF, 25VDC", Capacitance Tolerance=+/-10%, Case/Package=0603, Insulation Resistance=5GOhm, Manufacturer="Wurth Elektronik", Operating Temperature Max=125°C, Operating Temperature Min=-55°C, Rated Voltage (DC)=25V, Category="Multilayer Ceramic Chip Capacitors", Ceramic Type=X7R, Component Type=Standard, ComponentLink1Description="Website Link", ComponentLink1URL=https://www.we-online.com/redexpert/article/885012206071?ad, ComponentLink2Description="Datasheet Link", ComponentLink2URL=https://www.we-online.com/redexpert/spec/885012206071?ad, Design Item ID=885012206071, Dissipation Factor=3.5%, Height=0.8mm, Length=1.6mm, Manufacturer Part Number=885012206071, Match Code=WCAP-CSGP, Mount="Surface Mount", Packaging="Tape and Reel", Pins=2, Source=WCAP-CSGP.SchLib, Technical Reference=X7R0603104K025DFCT10000, Width=0.8mm
C6 C17 C18 C48: library part CMP-001-00655-1, "WCAP-CSGP Multilayer Ceramic Chip Capacitor, General Purpose, size 0603, X7R, 10nF, 25VDC", Capacitance Tolerance=+/-10%, Case/Package=0603, Insulation Resistance=10GOhm, Manufacturer="Wurth Elektronik", Operating Temperature Max=125°C, Operating Temperature Min=-55°C, Rated Voltage (DC)=25V, Category="Multilayer Ceramic Chip Capacitors", Ceramic Type=X7R, Component Type=Standard, ComponentLink1Description="Website Link", ComponentLink1URL=https://www.we-online.com/redexpert/article/885012206065?ad, ComponentLink2Description="Datasheet Link", ComponentLink2URL=https://www.we-online.com/redexpert/spec/885012206065?ad, Design Item ID=885012206065, Dissipation Factor=3.5%, Height=0.8mm, Length=1.6mm, Manufacturer Part Number=885012206065, Match Code=WCAP-CSGP, Mount="Surface Mount", Packaging="Tape and Reel", Pins=2, Source=WCAP-CSGP.SchLib, Technical Reference=X7R0603103K025DFCT10000, Width=0.8mm
C9 C34: library part CMP-001-00440-1, "WCAP-CSGP Multilayer Ceramic Chip Capacitor, General Purpose, size 0603, X5R, 4.7uF, 10VDC", Capacitance Tolerance=+/-20%, Case/Package=0603, Insulation Resistance=0.02GOhm, Manufacturer="Wurth Elektronik", Operating Temperature Max=85°C, Operating Temperature Min=-55°C, Rated Voltage (DC)=10V, Category="Multilayer Ceramic Chip Capacitors", Ceramic Type=X5R, Component Type=Standard, ComponentLink1Description="Website Link", ComponentLink1URL=https://www.we-online.com/redexpert/article/885012106012?ad, ComponentLink2Description="Datasheet Link", ComponentLink2URL=https://www.we-online.com/redexpert/spec/885012106012?ad, Design Item ID=885012106012, Dissipation Factor=10%, Height=0.8mm, Length=1.6mm, Manufacturer Part Number=885012106012, Match Code=WCAP-CSGP, Mount="Surface Mount", Packaging="Tape and Reel", Pins=2, Source=WCAP-CSGP.SchLib, Technical Reference=X5R0603475M010DFCT10000, Width=0.8mm
C21 C41: library part CMP-001-00640-1, "WCAP-CSGP Multilayer Ceramic Chip Capacitor, General Purpose, size 0603, X7R, 470nF, 16VDC", Capacitance Tolerance=+/-10%, Case/Package=0603, Insulation Resistance=1.1GOhm, Manufacturer="Wurth Elektronik", Operating Temperature Max=125°C, Operating Temperature Min=-55°C, Rated Voltage (DC)=16V, Category="Multilayer Ceramic Chip Capacitors", Ceramic Type=X7R, Component Type=Standard, ComponentLink1Description="Website Link", ComponentLink1URL=https://www.we-online.com/redexpert/article/885012206050?ad, ComponentLink2Description="Datasheet Link", ComponentLink2URL=https://www.we-online.com/redexpert/spec/885012206050?ad, Design Item ID=885012206050, Dissipation Factor=5%, Height=0.8mm, Length=1.6mm, Manufacturer Part Number=885012206050, Match Code=WCAP-CSGP, Mount="Surface Mount", Packaging="Tape and Reel", Pins=2, Source=WCAP-CSGP.SchLib, Technical Reference=X7R0603474K016DFCT10000, Width=0.8mm